# Altium PCB VHDCI_Carrier.PCBDOC (part 6 of 7)
Units mm, origin at the board's own origin, x right, y up, seen from the top; angles counter-clockwise.
Board outline 159.99 x 100 mm, 4 copper layers (TopLayer, Internal Plane 1, Internal Plane 2, BottomLayer), stack 1.622 mm thick; 102 components, 174 nets, 718 pads, 375 vias.
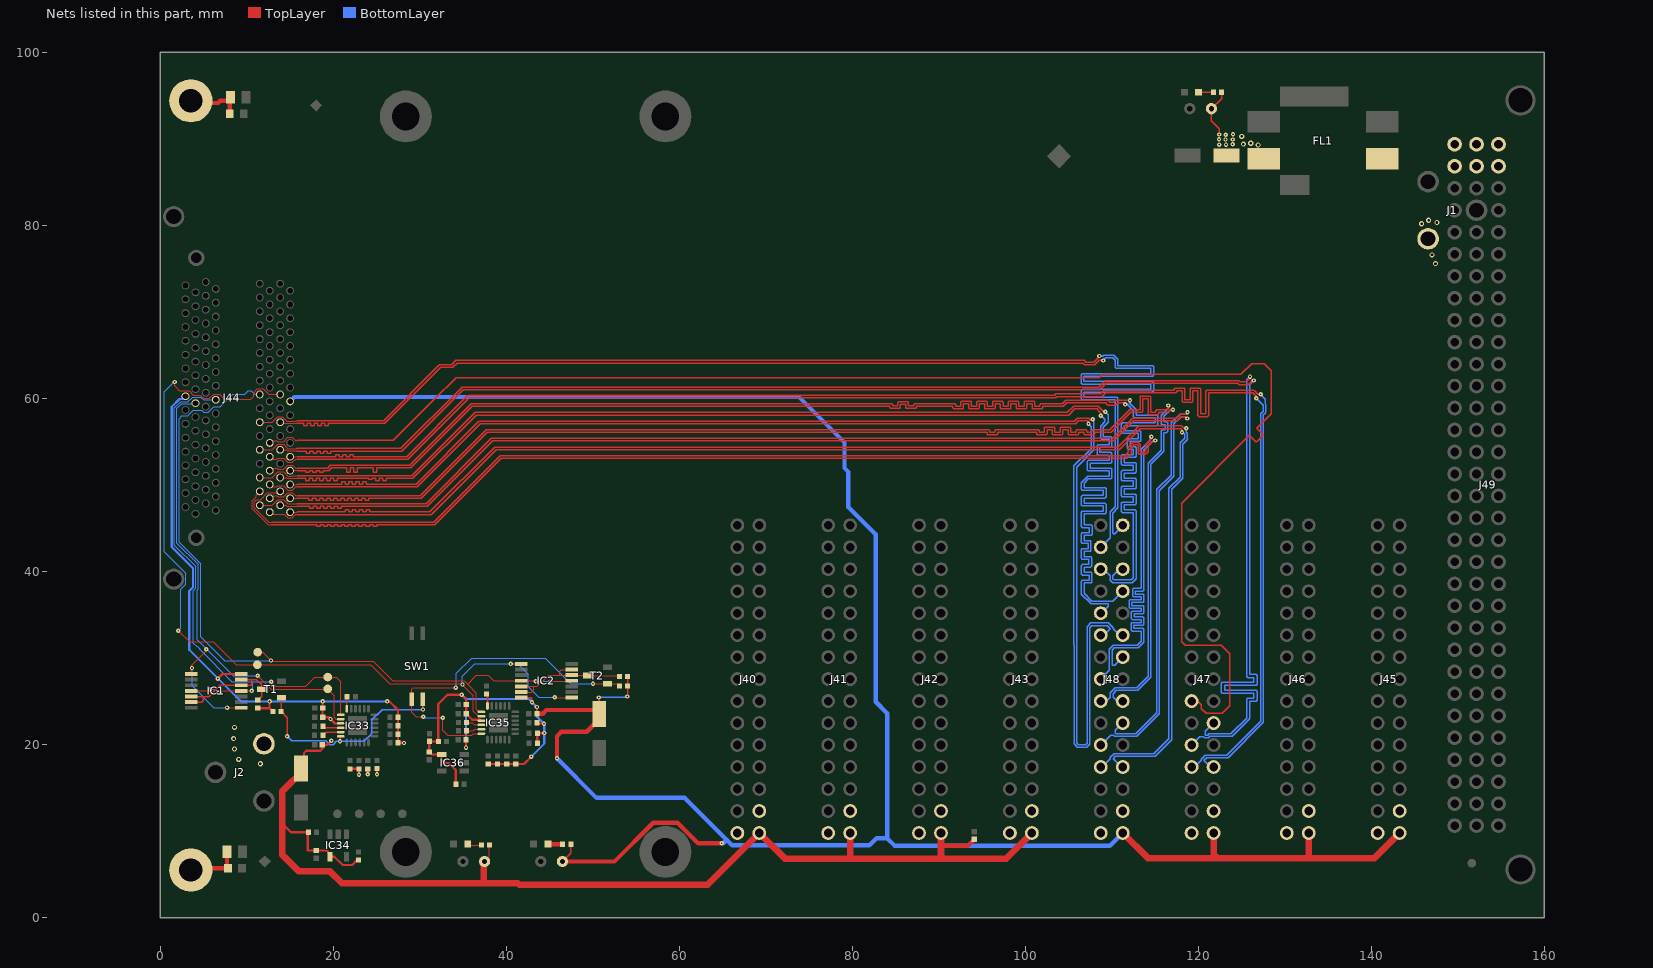
[diagram p8: the nets of this part, all layers, seen from the top]

## Via types
v1: diameter 0.5, hole 0.2, TopLayer to BottomLayer, tented both sides, 323 vias
v2: diameter 0.6, hole 0.3, TopLayer to BottomLayer, tented both sides, 52 vias

## Nets (pads, with @x,y where several pads share a name; then routed paths per layer and width w, separated by ;. In a path a pad name is that pad's centre, name@x,y a point inside that pad or via, vN(x,y) a via of type N, cw(c..) or ccw(c..) an arc to the next point about the centre after c; other vN are vias at no path point) (continued)
LVDS6_5_P: J44.U24 J47.17 | length 175.6
  TopLayer w0.127: J44.U24@12.675,54.871 12.949,55.145 13.495,55.145 13.61,55.03 14.278,55.03 14.76,55.511 15.29,55.511 15.657,55.145 15.825,55.145 15.85,55.17
  TopLayer w0.152: 15.85,55.17 26.97,55.17 32.926,61.126 ; 33.005,61.205 33.752,61.952 34.205,62.405 108.558,62.405 108.942,62.789 124.912,62.789 126.168,64.046 127.586,64.046 128.405,63.226 128.405,58.244 126.739,56.578 127.422,55.895 cw(c127.323,55.796) 127.463,55.796 cw(c127.323,55.796) 127.422,55.698 126.775,55.051 cw(c126.677,55.15) 126.578,55.051 125.895,55.734 118.085,47.923 118.085,34.728 118.1,34.713 118.1,33.139 118.085,33.124 118.085,32.188 118.1,32.173 118.1,31.9 118.5,31.5 122.631,31.5 123.605,30.526 123.605,24.474 122.757,23.626 120.88,23.626 120.332,24.174 120.332,24.6 119.896,25.036 J47.17@119.215,25.036
LVDS6_6_N: J44.U59 J47.21 | length 174.1
  TopLayer w0.127: J44.U59@13.875,54.071 14.56,54.071 14.68,53.951 15.799,53.951 15.825,53.926
  TopLayer w0.152: 15.825,53.926 16.3,53.926 16.503,53.926 16.91,53.926 16.91,53.697 17.316,53.697 17.316,53.926 17.722,53.926 17.722,53.697 18.129,53.697 18.129,53.926 18.535,53.926 18.535,53.697 18.942,53.697 18.942,53.926 19.348,53.926 19.348,53.697 19.754,53.697 19.754,53.926 20.161,53.926 20.5,53.926 27.957,53.926 35.031,61 108.59,61 109.363,61.773 124.527,61.773 124.6,61.7 124.689,61.611 125.745,61.611 126.139,62.004
  TopLayer w0.254: 126.139,62.004 126.228,62.094 v1(126.402,62.094)
  BottomLayer w0.152: J47.21@119.215,19.956 120.157,20.898 120.598,20.898 120.687,20.808 121.189,20.808 121.339,20.959 123.89,20.959 125.794,22.863 125.959,23.028 125.959,25.009 126.587,25.009 ccw(c126.587,25.2) 126.777,25.2 126.777,26.114 ccw(c126.587,26.114) 126.587,26.304 123.023,26.304 123.023,26.838 126.587,26.838 ccw(c126.587,27.028) 126.777,27.028 126.777,27.943 ccw(c126.587,27.943) 126.587,28.133 125.959,28.133 125.959,61.651 v1(126.402,62.094)
LVDS6_6_P: J44.U25 J47.20 | length 174.4
  TopLayer w0.127: J44.U25@11.525,54.071 12.969,54.071 13.61,54.711 14.278,54.711 14.785,54.205 15.799,54.205 15.825,54.23
  TopLayer w0.152: 15.825,54.23 27.83,54.23 34.841,61.241 34.905,61.305 108.464,61.305 109.237,62.078 124.653,62.078 124.816,61.916 125.511,61.916 v1@125.958,62.363
  TopLayer w0.254: v1@125.958,62.363 v1(125.958,62.537)
  BottomLayer w0.152: J47.20@121.755,22.496 120.813,21.554 120.813,21.113 121.062,21.113 121.213,21.264 123.764,21.264 125.578,23.078 125.578,25.2 cw(c125.769,25.2) 125.769,25.39 126.396,25.39 126.396,25.923 122.832,25.923 cw(c122.832,26.114) 122.642,26.114 122.642,27.028 cw(c122.832,27.028) 122.832,27.219 126.396,27.219 126.396,27.752 125.769,27.752 cw(c125.769,27.943) 125.578,27.943 125.578,61.651 125.578,62.157 v1(125.958,62.537)
LVDS6_7_N: J44.U60 J47.24 | length 173.6
  TopLayer w0.127: J44.U60@15.025,53.271 15.031,53.265 15.825,53.265 15.85,53.291
  TopLayer w0.152: 15.85,53.291 20.1,53.291 20.303,53.291 20.303,53.519 20.71,53.519 20.71,53.291 21.116,53.291 21.116,53.519 21.522,53.519 21.522,53.291 21.929,53.291 21.929,53.519 22.335,53.519 22.335,53.291 22.742,53.291 23,53.291 28.491,53.291 35.516,60.316 35.605,60.405 103.374,60.405 103.499,60.53 108.694,60.53 109.144,60.979 117.205,60.979 117.205,61.056 cw(c117.357,61.056) 117.357,61.208 118.272,61.208 cw(c118.272,61.056) 118.424,61.056 118.424,59.867 119.034,59.867 119.034,61.056 cw(c119.186,61.056) 119.186,61.208 120.1,61.208 cw(c120.1,61.056) 120.253,61.056 120.253,58.22 120.862,58.22 120.862,60.827 cw(c121.015,60.827) 121.015,60.979 126.401,60.979 126.49,60.89 126.865,60.515 127.093,60.515 v1@127.128,60.48
  BottomLayer w0.152: J47.24@121.755,17.416 121.421,17.416 120.637,18.2 120.937,18.5 123.426,18.5 127.505,22.579 127.505,58.105 127.7,58.3 127.789,58.389 127.789,59.363 127.7,59.452 127.7,59.908 v1@127.128,60.48
  other v1: 127.2,60.5
LVDS6_7_P: J44.U26 J47.23 | length 174.5
  TopLayer w0.127: J44.U26@12.675,53.271 12.935,53.011 13.509,53.011 13.61,53.111 14.278,53.111 14.76,52.63 15.29,52.63 15.671,53.011 15.825,53.011 15.85,52.986
  TopLayer w0.152: 15.85,52.986 28.617,52.986 35.731,60.1 103.5,60.1 103.625,60.225 108.821,60.225 109.27,60.675 117.357,60.675 ccw(c117.357,60.827) 117.51,60.827 117.51,60.903 118.119,60.903 118.119,59.715 ccw(c118.272,59.715) 118.272,59.562 119.186,59.562 ccw(c119.186,59.715) 119.338,59.715 119.338,60.903 119.948,60.903 119.948,58.068 ccw(c120.1,58.068) 120.1,57.916 121.015,57.916 ccw(c121.015,58.068) 121.167,58.068 121.167,60.675 126.275,60.675 126.685,60.264 v1(126.685,60.036)
  BottomLayer w0.152: J47.23@119.215,17.416 119.549,17.416 120.332,18.2 120.332,18.326 120.811,18.805 123.3,18.805 127.2,22.705 127.2,58.231 127.484,58.516 127.484,59.237 v1(126.685,60.036)
LVDS7_0_N: J44.U55 J48.3 | length 156.3
  TopLayer w0.127: J44.U55@13.875,57.271 14.002,57.144 15.825,57.144 15.85,57.119
  TopLayer w0.152: 15.85,57.119 16,57.119 16.203,57.119 16.61,57.119 16.61,56.847 17.016,56.847 17.016,57.119 17.422,57.119 17.422,56.847 17.829,56.847 17.829,57.119 18.235,57.119 18.235,56.847 18.642,56.847 18.642,57.119 19.048,57.119 19.048,56.847 19.454,56.847 19.454,57.119 19.861,57.119 20,57.119 25.95,57.119 32.431,63.6 33.819,63.6 34.319,64.1 106.657,64.1 106.85,63.907 108.038,63.907 108.531,64.4 v1(109,64.4)
  BottomLayer w0.152: J48.3@108.715,42.816 109.795,43.896 109.795,44.5 109.795,46.895 110.395,47.495 110.395,59.841 106.624,59.841 cw(c106.624,59.993) 106.472,59.993 106.472,60.908 cw(c106.624,60.908) 106.624,61.06 114.514,61.06 114.514,61.67 106.624,61.67 cw(c106.624,61.822) 106.472,61.822 106.472,62.737 cw(c106.624,62.737) 106.624,62.889 114.514,62.889 114.514,63.499 110.548,63.499 cw(c110.548,63.651) 110.395,63.651 110.395,64.405 110.1,64.7 109.3,64.7 v1(109,64.4)
LVDS7_0_P: J44.U21 J48.2 | length 157.5
  TopLayer w0.127: J44.U21@11.525,57.271 12.969,57.271 13.61,57.911 14.14,57.911 14.654,57.398 15.825,57.398 15.85,57.423
  TopLayer w0.152: 15.85,57.423 25.823,57.423 32.105,63.705 32.305,63.905 33.693,63.905 34.193,64.405 106.784,64.405 106.977,64.212 107.912,64.212 108.557,64.857 v1(108.557,64.91)
  BottomLayer w0.152: v1(108.557,64.91) 108.995,64.91 108.995,64.926 109.074,65.005 110.226,65.005 110.705,64.526 110.705,64.274 110.7,64.269 110.7,63.803 114.667,63.803 cw(c114.667,63.651) 114.819,63.651 114.819,62.737 cw(c114.667,62.737) 114.667,62.584 106.777,62.584 106.777,61.975 114.667,61.975 cw(c114.667,61.822) 114.819,61.822 114.819,60.908 cw(c114.667,60.908) 114.667,60.755 106.777,60.755 106.777,60.146 110.548,60.146 cw(c110.548,59.993) 110.7,59.993 110.7,47.369 110.1,46.769 110.1,44.5 110.3,44.3 111.255,45.255 J48.2@111.255,45.356 J48.2@110.856,45.356
  BottomLayer w0.254: v1(108.557,64.91) v1@108.617,64.971
LVDS7_1_N: J44.U62 J48.6 | length 160.8
  TopLayer w0.127: J44.U62@15.025,51.671 15.044,51.69 15.825,51.69 15.85,51.665
  TopLayer w0.152: 15.85,51.665 16.2,51.665 16.403,51.665 16.81,51.665 16.81,51.487 17.216,51.487 17.216,51.665 17.622,51.665 17.622,51.487 18.029,51.487 18.029,51.665 18.435,51.665 18.435,51.487 18.842,51.487 18.842,51.665 19.248,51.665 19.485,51.665 19.816,51.996 20.019,51.996 20.425,51.996 20.832,51.996 21,51.996 ; v1(111.547,59.325) 111.547,59.453 111.486,59.514 110.595,59.514 110.595,59.405 cw(c110.443,59.405) 110.443,59.253 109.528,59.253 cw(c109.528,59.405) 109.376,59.405 109.376,59.514 104.814,59.514 104.395,59.095 101.995,59.095 101.995,58.959 cw(c101.843,58.959) 101.843,58.806 100.928,58.806 cw(c100.928,58.959) 100.776,58.959 100.776,59.389 100.166,59.389 100.166,58.959 cw(c100.014,58.959) 100.014,58.806 99.1,58.806 cw(c99.1,58.959) 98.947,58.959 98.947,59.389 98.338,59.389 98.338,58.959 cw(c98.185,58.959) 98.185,58.806 97.271,58.806 cw(c97.271,58.959) 97.118,58.959 97.118,59.389 96.509,59.389 96.509,58.959 cw(c96.356,58.959) 96.356,58.806 95.442,58.806 cw(c95.442,58.959) 95.29,58.959 95.29,59.389 94.68,59.389 94.68,58.959 cw(c94.528,58.959) 94.528,58.806 93.613,58.806 cw(c93.613,58.959) 93.461,58.959 93.461,59.389 92.851,59.389 92.851,58.959 cw(c92.699,58.959) 92.699,58.806 91.784,58.806 cw(c91.784,58.959) 91.632,58.959 91.632,59.095 87.395,59.095 87.395,59.004 cw(c87.243,59.004) 87.243,58.852 86.328,58.852 cw(c86.328,59.004) 86.176,59.004 86.176,59.343 85.566,59.343 85.566,59.004 cw(c85.414,59.004) 85.414,58.852 84.5,58.852 cw(c84.5,59.004) 84.347,59.004 84.347,59.095 36.095,59.095 28.996,51.996 26.1,51.996 25.5,51.996 25.422,51.996 25.016,51.996 25.016,51.487 24.61,51.487 24.61,51.996 24.203,51.996 24,51.996 23,51.996 ; 21,51.996 21.171,51.996 ; 21,51.996 21.171,51.996 ; 21.171,51.996 21.578,51.996 ; 21.171,51.996 21.578,51.996 ; 21.578,51.487 21.578,51.996 ; 21.578,51.487 21.578,51.996 ; 21.578,51.487 21.984,51.487 ; 21.578,51.487 21.984,51.487 ; 21.984,51.487 21.984,51.996 ; 21.984,51.487 21.984,51.996 ; 21.984,51.996 22.39,51.996 ; 21.984,51.996 22.39,51.996 ; 22.39,51.487 22.39,51.996 ; 22.39,51.487 22.39,51.996 ; 22.39,51.487 22.797,51.487 ; 22.39,51.487 22.797,51.487 ; 22.797,51.487 22.797,51.996 ; 22.797,51.487 22.797,51.996 ; 22.797,51.996 23,51.996 ; 22.797,51.996 23,51.996
  BottomLayer w0.152: J48.6@111.255,40.276 110.876,40.276 110.1,39.5 110.1,39.144 110.2,39.044 112.239,39.044 112.495,39.3 112.495,46.818 111.259,46.818 cw(c111.259,46.97) 111.106,46.97 111.106,47.884 cw(c111.259,47.884) 111.259,48.037 112.495,48.037 112.495,48.646 111.259,48.646 cw(c111.259,48.799) 111.106,48.799 111.106,49.713 cw(c111.259,49.713) 111.259,49.866 112.495,49.866 112.495,50.475 111.259,50.475 cw(c111.259,50.628) 111.106,50.628 111.106,51.542 cw(c111.259,51.542) 111.259,51.694 112.495,51.694 112.495,52.304 111.259,52.304 cw(c111.259,52.456) 111.106,52.456 111.106,53.371 cw(c111.259,53.371) 111.259,53.523 112.495,53.523 112.495,54.133 111.951,54.133 cw(c111.951,54.285) 111.799,54.285 111.799,55.2 cw(c111.951,55.2) 111.951,55.352 113.06,55.352 113.06,55.962 111.259,55.962 cw(c111.259,56.114) 111.106,56.114 111.106,57.028 cw(c111.259,57.028) 111.259,57.181 114.989,57.181 114.989,57.79 112.648,57.79 cw(c112.648,57.943) 112.495,57.943 112.495,58.604 111.774,59.325 v1(111.547,59.325)
LVDS7_1_P: J44.U28 J48.5 | length 157.1
  TopLayer w0.127: J44.U28@12.675,51.671 12.948,51.944 13.496,51.944 13.61,51.83 14.279,51.83 14.76,52.311 15.29,52.311 15.657,51.944 15.825,51.944 15.85,51.97
  TopLayer w0.152: 15.85,51.97 19.359,51.97 19.6,52.211 19.689,52.3 20.019,52.3 20.425,52.3 20.832,52.3 21,52.3 21.171,52.3 21.578,52.3 21.984,52.3 22.39,52.3 22.797,52.3 23,52.3 28.869,52.3 35.969,59.4 84.5,59.4 cw(c84.5,59.248) 84.652,59.248 84.652,59.157 85.262,59.157 85.262,59.496 cw(c85.414,59.496) 85.414,59.648 86.328,59.648 cw(c86.328,59.496) 86.481,59.496 86.481,59.157 87.09,59.157 87.09,59.248 cw(c87.243,59.248) 87.243,59.4 91.784,59.4 cw(c91.784,59.248) 91.937,59.248 91.937,59.111 92.546,59.111 92.546,59.541 cw(c92.699,59.541) 92.699,59.694 93.613,59.694 cw(c93.613,59.541) 93.766,59.541 93.766,59.111 94.375,59.111 94.375,59.541 cw(c94.528,59.541) 94.528,59.694 95.442,59.694 cw(c95.442,59.541) 95.594,59.541 95.594,59.111 96.204,59.111 96.204,59.541 cw(c96.356,59.541) 96.356,59.694 97.271,59.694 cw(c97.271,59.541) 97.423,59.541 97.423,59.111 98.033,59.111 98.033,59.541 cw(c98.185,59.541) 98.185,59.694 99.1,59.694 cw(c99.1,59.541) 99.252,59.541 99.252,59.111 99.862,59.111 99.862,59.541 cw(c100.014,59.541) 100.014,59.694 100.928,59.694 cw(c100.928,59.541) 101.081,59.541 101.081,59.111 101.69,59.111 101.69,59.248 cw(c101.843,59.248) 101.843,59.4 104.269,59.4 104.687,59.818 109.528,59.818 cw(c109.528,59.666) 109.681,59.666 109.681,59.558 110.29,59.558 110.29,59.666 cw(c110.443,59.666) 110.443,59.818 111.486,59.818 112.081,59.818 v1(112.1,59.8)
  BottomLayer w0.152: J48.5@108.715,40.276 109.019,40.276 109.795,39.5 109.795,39.018 110.074,38.739 112.365,38.739 112.8,39.174 112.8,46.97 ccw(c112.648,46.97) 112.648,47.122 111.411,47.122 111.411,47.732 112.648,47.732 ccw(c112.648,47.884) 112.8,47.884 112.8,48.799 ccw(c112.648,48.799) 112.648,48.951 111.411,48.951 111.411,49.561 112.648,49.561 ccw(c112.648,49.713) 112.8,49.713 112.8,50.628 ccw(c112.648,50.628) 112.648,50.78 111.411,50.78 111.411,51.39 112.648,51.39 ccw(c112.648,51.542) 112.8,51.542 112.8,52.456 ccw(c112.648,52.456) 112.648,52.609 111.411,52.609 111.411,53.218 112.648,53.218 ccw(c112.648,53.371) 112.8,53.371 112.8,54.285 ccw(c112.648,54.285) 112.648,54.438 112.104,54.438 112.104,55.047 113.212,55.047 ccw(c113.212,55.2) 113.365,55.2 113.365,56.114 ccw(c113.212,56.114) 113.212,56.266 111.411,56.266 111.411,56.876 115.141,56.876 ccw(c115.141,57.028) 115.294,57.028 115.294,57.943 ccw(c115.141,57.943) 115.141,58.095 112.8,58.095 112.8,58.731 112.702,58.828 112.025,59.505 112.025,59.733 v1@111.99,59.768
LVDS7_2_N: J44.U63 J48.9 | length 156.8
  TopLayer w0.127: J44.U63@13.875,50.871 14.56,50.871 14.654,50.776 15.395,50.776 15.42,50.801 15.825,50.801 15.85,50.776
  TopLayer w0.152: 15.85,50.776 16.2,50.776 16.403,50.776 16.81,50.776 16.81,50.497 17.216,50.497 17.216,50.776 17.622,50.776 17.622,50.497 18.029,50.497 18.029,50.776 18.435,50.776 18.435,50.497 18.842,50.497 18.842,50.776 19.248,50.776 19.248,50.497 19.654,50.497 19.654,50.776 20.061,50.776 20.061,50.497 20.467,50.497 20.467,50.776 20.874,50.776 21.28,50.776 21.686,50.776 22.093,50.776 22.499,50.776 22.906,50.776 23.312,50.776 23.718,50.776 24.125,50.776 24.125,50.667 24.531,50.667 24.531,50.776 24.938,50.776 24.938,50.497 25.344,50.497 25.344,50.776 25.75,50.776 25.75,50.497 26.157,50.497 26.157,50.776 26.563,50.776 26.7,50.776 29.207,50.776 36.526,58.095 104.995,58.095 105.702,58.802 108.298,58.802 108.5,58.6 108.5,58.518 108.778,58.239 v1@108.778,58.077
  TopLayer w0.254: v1@108.778,58.03 v1@108.778,58.077
  BottomLayer w0.152: J48.9@108.715,35.41 J48.9@108.715,35.196 108.796,35.196 109.6,36 109.6,36.295 107.574,36.295 107.484,36.384 106.48,37.389 106.48,38.842 cw(c106.632,38.842) 106.632,38.994 107.39,38.994 107.39,39.604 106.632,39.604 cw(c106.632,39.756) 106.48,39.756 106.48,40.671 cw(c106.632,40.671) 106.632,40.823 107.342,40.823 107.342,41.433 106.632,41.433 cw(c106.632,41.585) 106.48,41.585 106.48,42.5 cw(c106.632,42.5) 106.632,42.652 107.28,42.652 107.28,43.262 106.632,43.262 cw(c106.632,43.414) 106.48,43.414 106.48,44.328 cw(c106.632,44.328) 106.632,44.481 107.412,44.481 107.412,45.09 106.632,45.09 cw(c106.632,45.243) 106.48,45.243 106.48,46.821 cw(c106.632,46.821) 106.632,46.973 109.02,46.973 109.02,47.583 106.632,47.583 cw(c106.632,47.735) 106.48,47.735 106.48,48.65 cw(c106.632,48.65) 106.632,48.802 109.02,48.802 109.02,49.412 106.632,49.412 cw(c106.632,49.564) 106.48,49.564 106.48,50.295 107.208,51.023 109.684,51.023 109.684,51.633 107.325,51.633 cw(c107.325,51.785) 107.172,51.785 107.172,52.7 cw(c107.325,52.7) 107.325,52.852 109.684,52.852 109.684,53.462 108.464,53.462 cw(c108.464,53.614) 108.311,53.614 108.311,54.528 cw(c108.464,54.528) 108.464,54.681 109.684,54.681 109.684,55.29 108.852,55.29 cw(c108.852,55.443) 108.7,55.443 108.7,56.801 109.199,57.3 109.199,57.609 v1@108.778,58.03
  other v1: 108.7,58
LVDS7_2_P: J44.U29 J48.8 | length 156.1
  TopLayer w0.127: J44.U29@11.525,50.871 12.969,50.871 13.61,51.511 14.278,51.511 14.76,51.03 15.29,51.03 15.315,51.055 15.825,51.055 15.85,51.081
  TopLayer w0.152: 15.85,51.081 29.081,51.081 36.4,58.4 104.869,58.4 105.576,59.107 108.424,59.107 108.49,59.041 109.058,58.473 v1(109.221,58.473)
  BottomLayer w0.152: v1(109.221,58.473) 109.58,58.115 109.58,57.609 109.58,57.25 109.414,57.084 109.005,56.675 109.005,55.595 109.836,55.595 cw(c109.836,55.443) 109.989,55.443 109.989,54.528 cw(c109.836,54.528) 109.836,54.376 108.616,54.376 108.616,53.766 109.836,53.766 cw(c109.836,53.614) 109.989,53.614 109.989,52.7 cw(c109.836,52.7) 109.836,52.547 107.477,52.547 107.477,51.938 109.836,51.938 cw(c109.836,51.785) 109.989,51.785 109.989,50.871 cw(c109.836,50.871) 109.836,50.718 107.298,50.718 106.784,50.205 106.784,49.717 109.172,49.717 cw(c109.172,49.564) 109.324,49.564 109.324,48.65 cw(c109.172,48.65) 109.172,48.497 106.784,48.497 106.784,47.888 109.172,47.888 cw(c109.172,47.735) 109.324,47.735 109.324,46.821 cw(c109.172,46.821) 109.172,46.669 106.784,46.669 106.784,45.395 107.565,45.395 cw(c107.565,45.243) 107.717,45.243 107.717,44.328 cw(c107.565,44.328) 107.565,44.176 106.784,44.176 106.784,43.566 107.432,43.566 cw(c107.432,43.414) 107.585,43.414 107.585,42.5 cw(c107.432,42.5) 107.432,42.347 106.784,42.347 106.784,41.738 107.495,41.738 cw(c107.495,41.585) 107.647,41.585 107.647,40.671 cw(c107.495,40.671) 107.495,40.518 106.784,40.518 106.784,39.909 107.542,39.909 cw(c107.542,39.756) 107.695,39.756 107.695,38.842 cw(c107.542,38.842) 107.542,38.69 106.784,38.69 106.784,37.516 107.7,36.6 110.119,36.6 J48.8@111.255,37.736
LVDS7_3_N: J44.U64 J48.12 | length 156
  TopLayer w0.127: J44.U64@15.025,50.071 15.031,50.065 15.825,50.065 15.85,50.09
  TopLayer w0.152: 15.85,50.09 20.8,50.09 21.003,50.09 21.003,50.37 21.41,50.37 21.41,50.09 21.816,50.09 21.816,50.37 22.222,50.37 22.222,50.09 22.629,50.09 22.629,50.37 23.035,50.37 23.035,50.09 23.442,50.09 23.442,50.37 23.848,50.37 23.848,50.09 23.9,50.09 29.59,50.09 36.8,57.3 36.905,57.405 105.674,57.405 105.984,57.716 107.316,57.716 107.331,57.716 107.526,57.52 v1@107.688,57.52
  TopLayer w0.254: v1@107.688,57.52 v1@107.735,57.52
  BottomLayer w0.152: 107.905,57.351 107.905,54.07 105.921,52.086 105.921,20.2 106.121,20 107,20 107.173,20.173 107.173,33.655 107.584,34.066 109.598,34.066 110.137,33.526 110.137,33.4 110.881,32.656 J48.12@111.255,32.656
  other v1: 107.8,57.6
LVDS7_3_P: J44.U30 J48.11 | length 156.1
  TopLayer w0.127: J44.U30@12.675,50.071 12.935,49.811 13.509,49.811 13.61,49.911 14.278,49.911 14.76,49.43 15.29,49.43 15.67,49.811 15.825,49.811 15.85,49.785
  TopLayer w0.152: 15.85,49.785 29.716,49.785 37.031,57.1 105.8,57.1 106.111,57.411 107.189,57.411 107.292,57.308 v1(107.292,57.077)
  BottomLayer w0.152: v1(107.292,57.077) 107.6,56.769 107.6,54.196 105.616,52.212 105.616,31.568 105.641,31.543 105.641,20.084 106.005,19.721 107.116,19.721 107.452,20.057 107.452,33.513 107.7,33.761 109.471,33.761 109.832,33.4 109.089,32.656 J48.11@108.715,32.656
LVDS7_4_N: J44.U65 J48.15 | length 155.8
  TopLayer w0.127: 12.923,45.702 12.917,45.709 12.561,45.709 10.888,47.381 10.888,47.402 10.884,47.406 10.884,47.936 10.888,47.94 10.888,48.089 11.111,48.311 11.61,48.311 12.41,49.111 13.715,49.111 J44.U65@13.875,49.271
  TopLayer w0.152: 12.923,45.702 31.602,45.702 39.3,53.4 111.495,53.4 111.884,53.789 111.884,54.379 112.457,54.952 113.016,54.952 113.3,54.668 113.3,53.9 113.383,53.817 113.71,53.817 113.886,53.993 113.886,54.686 v1@114.678,55.478
  BottomLayer w0.152: J48.15@108.715,27.576 109.718,28.579 109.718,31.049 110.169,31.5 112.934,31.5 113.394,31.96 113.394,33.134 112.372,33.134 cw(c112.372,33.287) 112.219,33.287 112.219,33.947 cw(c112.372,33.947) 112.372,34.099 113.394,34.099 113.394,34.455 112.41,34.455 cw(c112.41,34.607) 112.258,34.607 112.258,35.268 cw(c112.41,35.268) 112.41,35.42 113.394,35.42 113.394,35.776 112.149,35.776 cw(c112.149,35.928) 111.996,35.928 111.996,36.589 cw(c112.149,36.589) 112.149,36.741 113.394,36.741 113.394,37.097 112.537,37.097 cw(c112.537,37.249) 112.385,37.249 112.385,37.909 cw(c112.537,37.909) 112.537,38.062 113.394,38.062 113.394,54.127 113.462,54.195 114.375,55.108 114.375,55.225 114.567,55.416 v1(114.567,55.59)
LVDS7_4_P: J44.U31 J48.14 | length 156.6
  TopLayer w0.127: J44.U31@11.525,49.271 11.087,48.834 11.087,48.647 10.634,48.194 10.634,48.045 10.63,48.041 10.63,47.3 10.634,47.297 10.634,47.276 12.519,45.391 12.853,45.391 12.859,45.398
  TopLayer w0.152: 12.859,45.398 17.5,45.398 17.703,45.398 18.11,45.398 18.11,45.239 18.516,45.239 18.516,45.398 18.922,45.398 18.922,45.239 19.329,45.239 19.329,45.398 19.735,45.398 19.735,45.239 20.142,45.239 20.142,45.398 20.548,45.398 20.548,45.239 20.954,45.239 20.954,45.398 21.361,45.398 21.361,45.239 21.767,45.239 21.767,45.398 22.174,45.398 22.174,45.239 22.58,45.239 22.58,45.398 22.986,45.398 22.986,45.239 23.393,45.239 23.393,45.398 23.799,45.398 23.799,45.239 24.206,45.239 24.206,45.398 24.612,45.398 24.612,45.239 25.018,45.239 25.018,45.398 25.1,45.398 31.729,45.398 39.426,53.095 111.701,53.095 112.245,53.639 112.245,54.345 112.573,54.673 112.9,54.673 113.021,54.552 113.021,53.679 113.163,53.537 113.826,53.537 113.831,53.542 113.867,53.542 114.073,53.749 114.184,53.859 114.184,54.553 v1@114.894,55.263
  BottomLayer w0.152: J48.14@111.255,30.116 110.339,29.2 110.023,29.2 110.023,30.923 110.295,31.195 113.061,31.195 113.699,31.834 113.699,33.287 ccw(c113.547,33.287) 113.547,33.439 112.524,33.439 112.524,33.795 113.547,33.795 ccw(c113.547,33.947) 113.699,33.947 113.699,34.607 ccw(c113.547,34.607) 113.547,34.76 112.563,34.76 112.563,35.115 113.547,35.115 ccw(c113.547,35.268) 113.699,35.268 113.699,35.928 ccw(c113.547,35.928) 113.547,36.081 112.301,36.081 112.301,36.436 113.547,36.436 ccw(c113.547,36.589) 113.699,36.589 113.699,37.249 ccw(c113.547,37.249) 113.547,37.401 112.69,37.401 112.69,37.757 113.547,37.757 ccw(c113.547,37.909) 113.699,37.909 113.699,54.001 114.68,54.982 114.797,54.982
  other v1: 115.01,55.147
LVDS7_5_N: J44.U66 J48.18 | length 156.5
  TopLayer w0.127: J44.U66@15.025,48.471 15.044,48.49 15.825,48.49 15.85,48.465
  TopLayer w0.152: 15.85,48.465 16.6,48.465 16.803,48.465 17.21,48.465 17.21,48.262 17.616,48.262 17.616,48.465 18.022,48.465 18.022,48.262 18.429,48.262 18.429,48.465 18.835,48.465 18.835,48.262 19.242,48.262 19.242,48.465 19.648,48.465 19.648,48.262 20.054,48.262 20.054,48.465 20.461,48.465 20.461,48.262 20.867,48.262 20.867,48.465 21.274,48.465 21.274,48.262 21.68,48.262 21.68,48.465 22.086,48.465 22.086,48.262 22.493,48.262 22.493,48.465 22.899,48.465 22.899,48.262 23.306,48.262 23.306,48.465 23.712,48.465 23.712,48.262 24.118,48.262 24.118,48.465 24.5,48.465 30.196,48.465 37.831,56.1 95.576,56.1 95.576,55.959 ccw(c95.728,55.959) 95.728,55.806 96.643,55.806 ccw(c96.643,55.959) 96.795,55.959 96.795,56.1 101.29,56.1 101.29,55.959 ccw(c101.442,55.959) 101.442,55.806 102.356,55.806 ccw(c102.356,55.959) 102.509,55.959 102.509,56.389 103.118,56.389 103.118,55.959 ccw(c103.271,55.959) 103.271,55.806 104.185,55.806 ccw(c104.185,55.959) 104.338,55.959 104.338,56.389 104.947,56.389 104.947,55.959 ccw(c105.1,55.959) 105.1,55.806 106.014,55.806 ccw(c106.014,55.959) 106.166,55.959 106.166,56.1 106.776,56.1 106.776,55.959 ccw(c106.928,55.959) 106.928,55.806 107.843,55.806 ccw(c107.843,55.959) 107.995,55.959 107.995,56.1 109.9,56.1 112.2,58.4 113.414,58.4 ccw(c113.414,58.552) 113.566,58.552 113.566,59.963 114.176,59.963 114.176,58.274 ccw(c114.328,58.274) 114.328,58.122 115.243,58.122 ccw(c115.243,58.274) 115.395,58.274 115.395,58.4 116.463,58.4 116.74,58.677 116.766,58.677